# Altium PCB STM32.PcbDoc (part 2 of 2)
Units mil, origin at the board's own origin, x right, y up, seen from the top; angles counter-clockwise.
Board outline 3937.01 x 3937.01 mil, 2 copper layers (TOP, BOTTOM); 127 components, 126 nets, 543 pads, 253 vias.
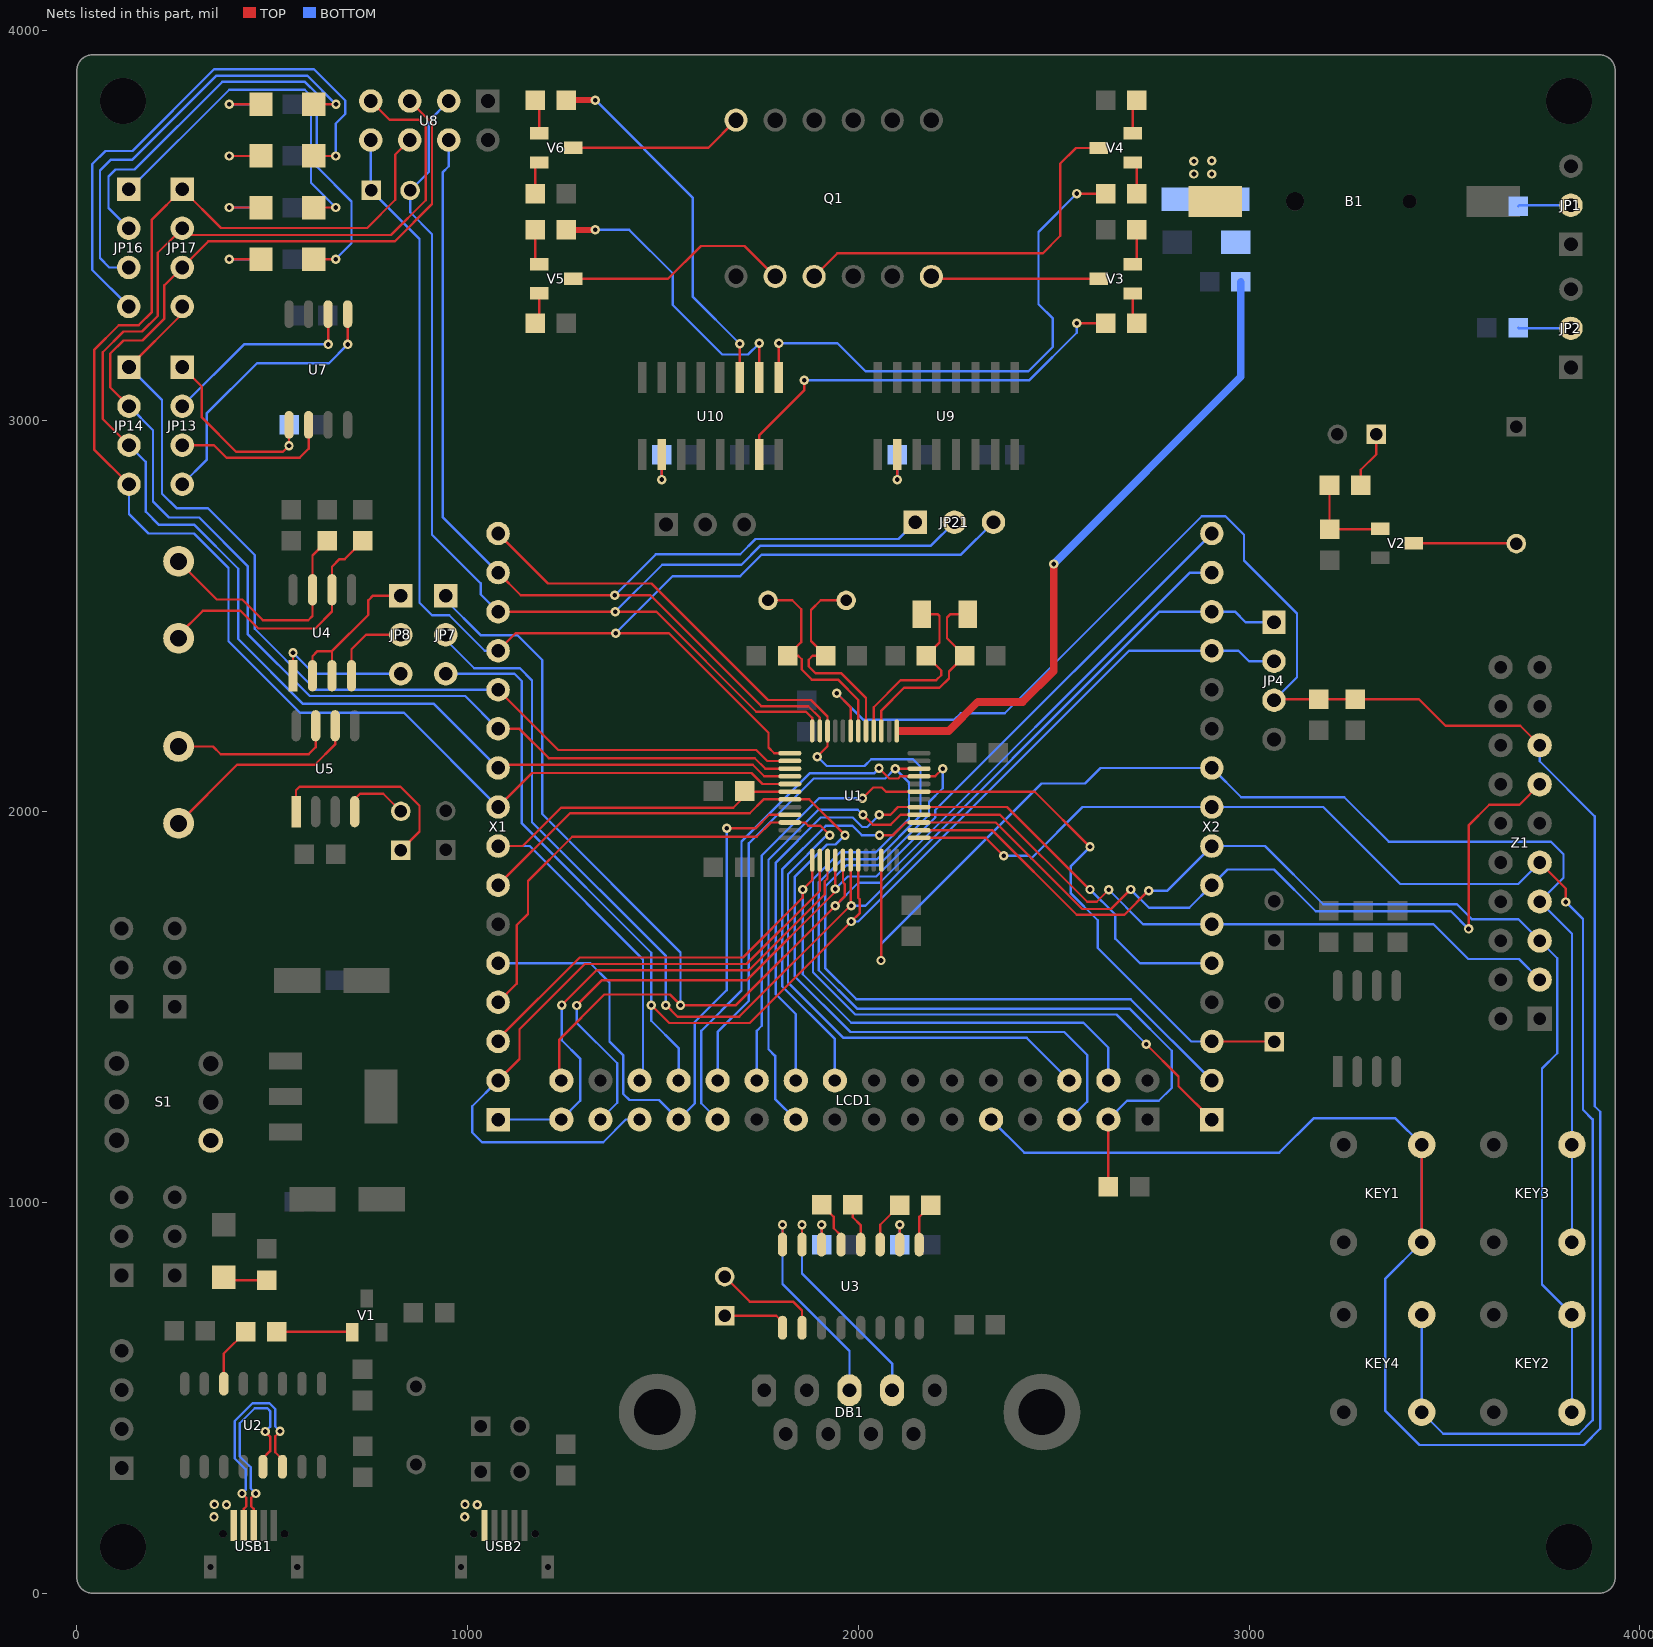
[diagram p2: the nets of this part, all layers, seen from the top]

## Via types
v1: diameter 24, hole 12, TOP to BOTTOM, tented both sides, 215 vias
v2: diameter 16, hole 8, TOP to BOTTOM, tented both sides, 37 vias
v3: diameter 50, hole 28, TOP to BOTTOM, 1 vias

## Nets (pads, with @x,y where several pads share a name; then routed paths per layer and width w, separated by ;. In a path a pad name is that pad's centre, name@x,y a point inside that pad or via, vN(x,y) a via of type N, cw(c..) or ccw(c..) an arc to the next point about the centre after c; other vN are vias at no path point) (continued)
I2C1_SDA: JP12.1 LCD1.22 U1.43 X2.3 | length 2415.7
  TOP w6: v1(2010.75,2034.25) 2038.5,2062 2060,2062 2070.8,2051.2 U1.43@2155.51,2051.2 2451.8,2051.2 v1(2593,1910) ; X2.3@2905,1412 3064,1412 JP12.1@3065,1411
  BOTTOM w6: LCD1.22@1740,1312 1740,1439 1753,1452 1753,1888 1899.25,2034.25 v1(2010.75,2034.25) ; v1(2593,1910) 2544,1861 2544,1791 2613,1722 2613,1651 2852,1412 X2.3@2905,1412
JTCK: KEY4.2 KEY4.4 U1.37 X2.9 Z1.9 | length 3979.7
  TOP w6: U1.37@2155.51,1933.09 2325.91,1933.09 v1(2372,1887) ; Z1.9@3744,1870 3811,1803 v1(3811,1769)
  BOTTOM w6: v1(2372,1887) 2437,1887 2443,1881 2574,2012 X2.9@2905,2012 3190,2012 3387,1815 3689,1815 Z1.9@3744,1870 ; KEY4.4@3442,713 KEY4.2@3442,463 3497,408 3845,408 3879.5,442.5 3879.5,1212.5 3855,1237 3855,1725 v1(3811,1769) v1@3809,1771
JTDI: KEY2.2 KEY2.4 U1.38 X2.8 Z1.5 | length 3124.9
  TOP w6: U1.38@2155.51,1952.77 2342.23,1952.77 2559,1736 2681,1736 v1(2743,1798)
  BOTTOM w6: v1(2743,1798) 2791,1798 X2.8@2905,1912 3041,1912 3190,1763 3532,1763 3570,1725 3689,1725 Z1.5@3744,1670 3789,1625 3789,1382 3750,1343 3750,789.5 KEY2.4@3826.5,713 KEY2.2@3826.5,463
JTDO: LCD1.18 U1.39 X2.7 Z1.13 | length 3148.7
  TOP w6: v1(2054.25,1940) 2089,1940 2121.46,1972.46 U1.39@2155.51,1972.46 2351.54,1972.46 2573,1751 2647,1751 v1(2697,1801) ; v1(3562,1700) 3562,1965 3615,2018 3692,2018 Z1.13@3744,2070
  BOTTOM w6: LCD1.18@1940,1312 1940,1418 1805,1553 1805,1852 1917,1964 1985,1964 2009,1940 v1(2054.25,1940) ; v1(2697,1801) 2744,1754 2847,1754 X2.7@2905,1812 2945,1852 3064,1852 3171,1745 3517,1745 v1(3562,1700)
JTMS: KEY3.2 KEY3.4 U1.34 X2.10 Z1.7 | length 3376.8
  TOP w6: v1@2059.06,1619 U1.34@2059.06,1876
  BOTTOM w6: v1(2058,1619) 2058,1661 2469,2072 2580,2072 2620,2112 X2.10@2905,2112 2980,2037 3244,2037 3358,1923 3773,1923 3805,1891 3805,1831 Z1.7@3744,1770 3826.5,1687.5 KEY3.4@3826.5,1148 KEY3.2@3826.5,898
JTRST: LCD1.19 U1.40 X2.6 Z1.3 | length 2947.5
  TOP w6: v1(2012,1991.83) 2036.83,1967 2083,1967 2108.14,1992.14 U1.40@2155.51,1992.14 2362.86,1992.14 2585.74,1769.26 2610.26,1769.26 v1(2641,1800)
  BOTTOM w6: LCD1.19@1840,1212 1787,1265 1787,1375 1770,1392 1770,1877 1898,2005 1998.83,2005 v1(2012,1991.83) ; v1(2641,1800) 2729,1712 X2.6@2905,1712 3472,1712 3561,1623 3691,1623 Z1.3@3744,1570
KEY1: C1.2 JP4.3 KEY1.2 KEY1.4 LCD1.9 R1.1 U1.7 Z1.15 | length 7239.8
  TOP w6: v1(1945,2303) 1980.32,2267.68 U1.7@1980.32,2206.71 ; JP4.3@3064,2285 3067,2288 R1.1@3179,2288 C1.2@3272,2288 3435,2288 3503,2220 3694,2220 Z1.15@3744,2170 ; KEY1.2@3442,898 KEY1.4@3442,1148
  BOTTOM w6: v1(1945,2303) 2013,2235 2245,2235 2262,2252 2375,2252 2879,2756 2940,2756 2987,2709 2987,2643 3123,2507 3123,2344 JP4.3@3064,2285 ; LCD1.9@2340,1212 2425,1127 3077,1127 3165,1215 3375,1215 KEY1.4@3442,1148 KEY1.2@3442,898 3349,805 3349,466 3436,379 3857,379 3899,421 3899,1232 3885,1246 3885,1988 3744,2129 Z1.15@3744,2170
LCD_BL: JP4.2 JP7.3 LCD1.26 U1.31 X2.13 | length 3577.7
  TOP w6: v1(1470,1505) 1516,1459 1722,1459 v1(1982,1719) 2004,1741 2004,1775 2000,1779 U1.31@2000,1876
  BOTTOM w6: JP7.3@944,2353 1120,2353 1139,2334 1139,1970 1470,1639 v1(1470,1505) 1470,1465 1540,1395 LCD1.26@1540,1312 ; v1(1982,1719) 2000,1719 2693,2412 X2.13@2905,2412 2973,2412 3000,2385 JP4.2@3064,2385
LCD_CS: LCD1.3 R5.1 U1.10 X1.16 | length 3571.4
  TOP w6: X1.16@1078,2712 1206,2584 1471,2584 1769,2286 1879,2286 1921.26,2243.74 U1.10@1921.26,2206.71 1921.26,2167.26 v1(1895,2141) ; R5.1@2640,1040 LCD1.3@2640,1212
  BOTTOM w6: v1(1895,2141) 1919,2117 2016,2117 2033,2134 2140,2134 2159,2115 2159,1990 2047,1878 1958,1878 1899,1819 1899,1594 1997,1496 2694,1496 2802,1388 2802,1293 2769,1260 2688,1260 LCD1.3@2640,1212
LCD_DB10: LCD1.20 U1.41 X2.5 | length 1975.1
  TOP w6: v1(2053.75,1991.83) 2081.83,1991.83 2101.83,2011.83 U1.41@2155.51,2011.83 2380.53,2011.83 2591.36,1801 v1(2593,1801)
  BOTTOM w6: LCD1.20@1840,1312 1840,1482 1789,1533 1789,1870 1904,1985 1986,1985 2010,1961 2022.92,1961 v1(2053.75,1991.83) ; v1(2593,1801) 2658,1736 2658,1675 2721,1612 X2.5@2905,1612
LCD_DB13: LCD1.23 U1.45 X2.2 | length 3177.7
  TOP w6: v1(2053,2111) 2079,2085 2102,2085 2107.57,2090.57 U1.45@2155.51,2090.57 2196.57,2090.57 v1(2216,2110)
  BOTTOM w6: LCD1.23@1640,1212 1598,1254 1598,1439 1701,1542 1701,1924 1875,2098 2040,2098 v1(2053,2111) ; v1(2216,2110) 2216,2060 2181,2025 2181,1992 2052,1863 1970,1863 1915,1808 1915,1600 1995,1520 2697,1520 X2.2@2905,1312
LCD_DB14: LCD1.24 U1.46 X2.1 | length 3038.5
  TOP w6: v1(2094.25,2110.25) U1.46@2155.51,2110.25 ; v1(2737,1405) 2819.5,1322.5 2819.5,1297.5 X2.1@2905,1212
  BOTTOM w6: LCD1.24@1640,1312 1640,1436 1720,1516 1720,1919 1886,2085 2069,2085 v1(2094.25,2110.25) 2129.92,2074.58 2129.92,1980.92 2045,1896 1953,1896 1884,1827 1884,1589 1992,1481 2661,1481 v1(2737,1405)
LCD_DB15: LCD1.25 U1.21 X1.5 | length 1747
  TOP w6: v1(1663,1958) 1738,1958 1772.14,1992.14 U1.21@1824.8,1992.14
  BOTTOM w6: X1.5@1078,1612 1314,1612 1363,1563 1363,1412 1398,1377 1398,1278 1414,1262 1490,1262 LCD1.25@1540,1212 1581.5,1253.5 1581.5,1461.5 1663,1543 v1(1663,1958)
LCD_RD: LCD1.6 U1.22 X1.4 | length 2439.6
  TOP w6: X1.4@1078,1512 1126,1560 1126,1710 1154.5,1738.5 1154.5,1822.5 1268,1936 1740,1936 1776.46,1972.46 U1.22@1824.8,1972.46 1863.54,1972.46 1872,1964 1903,1964 v1(1927,1940)
  BOTTOM w6: v1(1927,1940) 1920,1940 1820,1840 1820,1563 1962,1421 2431,1421 LCD1.6@2540,1312
LCD_SCK: LCD1.4 U1.25 X1.3 | length 2202.7
  TOP w6: X1.3@1078,1412 1078,1418 1287,1627 1705,1627 1858,1780 v1(1858,1801) 1881.89,1824.89 U1.25@1881.89,1876
  BOTTOM w6: v1(1858,1801) 1858,1584 1982,1460 2576,1460 2640,1396 LCD1.4@2640,1312
LCD_WR: LCD1.5 U1.19 X1.7 | length 2460.9
  TOP w6: X1.7@1078,1812 1262,1996 1722,1996 1757.51,2031.51 U1.19@1824.8,2031.51 1874.49,2031.51 v1(1966,1940)
  BOTTOM w6: v1(1966,1940) 1942,1916 1920,1916 1837,1833 1837,1579 1980,1436 2527,1436 2586,1377 2586,1258 LCD1.5@2540,1212
LED1: JP14.1 JP17.4 U1.14 X1.12 | length 2571.3
  TOP w6: JP14.1@133.39,3138 269.61,3274.23 JP17.4@269.61,3293 ; X1.12@1078,2312 1232,2158 1738.94,2158 1767,2129.94 U1.14@1824.8,2129.94
  BOTTOM w6: JP14.1@133.39,3138 218,3053.39 218,2814 255,2777 335,2777 455,2657 455,2468 611,2312 X1.12@1078,2312
LED2: JP14.2 JP17.3 U1.15 U8.5 X1.11 | length 3758.8
  TOP w6: JP14.2@133.39,3038 85,3086.39 85,3172 119,3206 168,3206 224,3262 224,3347.39 JP17.3@269.61,3393 336.61,3460 814,3460 909,3555 909,3762 U8.5@852,3819 ; X1.11@1078,2212 1133,2212 1208,2137 1735,2137 1761.75,2110.25 U1.15@1824.8,2110.25
  BOTTOM w6: JP14.2@133.39,3038 195,2976.39 195,2794 236,2753 313,2753 437,2629 437,2455 596,2296 994,2296 X1.11@1078,2212
LED3: JP14.3 JP17.2 U1.16 U8.7 X1.10 | length 3948.1
  TOP w6: JP14.3@133.39,2938 66,3005.39 66,3176 119,3229 167,3229 207,3269 207,3430.39 JP17.2@269.61,3493 286.61,3476 804,3476 893,3565 893,3753 875,3771 800,3771 U8.7@752,3819 ; X1.10@1078,2112 1086,2120 1730,2120 1759.43,2090.57 U1.16@1824.8,2090.57
  BOTTOM w6: JP14.3@133.39,2938 176,2895.39 176,2768 210,2734 301,2734 413,2622 413,2442 579,2276 914,2276 X1.10@1078,2112
LED4: JP14.4 JP17.1 U1.17 U8.6 X1.9 | length 3936
  TOP w6: JP14.4@133.39,2838 44,2927.39 44,3182 107,3245 158,3245 192,3279 192,3515.39 JP17.1@269.61,3593 368.61,3494 743,3494 815,3566 815,3682 U8.6@852,3719 ; X1.9@1078,2012 1165,2099 1727,2099 1755.12,2070.88 U1.17@1824.8,2070.88
  BOTTOM w6: JP14.4@133.39,2838 133.39,2761.61 183,2712 300,2712 388,2624 388,2436 571,2253 837,2253 X1.9@1078,2012
NetB1_1: B1.1 D1.1
  other v1: 2859,3632 2905,3632 2859,3665 2905,3666
NetBEEP1_2: BEEP1.2 V2.C | length 262.4
  TOP w6: V2.C@3422,2687 3683,2687 BEEP1.2@3684,2686
NetC14_1: C14.1 U3.3 | length 121.7
  TOP w6: U3.3@2056,892 2056,943 C14.1@2106,993
NetC14_2: C14.2 U3.1 | length 113.4
  TOP w6: U3.1@2156,892 2156,963 C14.2@2186,993
NetC15_1: C15.1 U3.5 | length 122.7
  TOP w6: C15.1@1906,994 1937,963 1937,934 1956,915 U3.5@1956,892
NetC15_2: C15.2 U3.4 | length 110.3
  TOP w6: C15.2@1986,994 1986,962 2006,942 U3.4@2006,892
NetC17_1: C17.1 U3.6 | length 102
  TOP w6: U3.6@1906,892 v1(1906,943)
  BOTTOM w6: C17.1@1906,892 v1(1906,943)
NetC18_1: C18.1 U3.2 | length 102
  TOP w6: U3.2@2106,892 v1(2106,943)
  BOTTOM w6: C18.1@2106,892 v1(2106,943)
NetDB1_2: DB1.2 U3.7 | length 570.4
  TOP w6: U3.7@1856,892 v1(1856,943)
  BOTTOM w6: v1(1856,943) 1856,818 2086.46,587.54 DB1.2@2086.46,519.07
NetDB1_3: DB1.3 U3.8 | length 545.9
  TOP w6: U3.8@1806,892 v1(1806,943)
  BOTTOM w6: v1(1806,943) 1806,791 1977.29,619.71 DB1.3@1977.29,519.07
NetH1_1: H1.1 R9.2 | length 121.9
  TOP w6: H1.1@376,808 383,801 R9.2@486.43,801 R9.2@495,801
NetH2_1: H2.1 R12.2 | length 161.8
  TOP w6: v1(390.32,3546.32) H2.1@471.22,3546.32
  BOTTOM w6: v1(390.32,3546.32) R12.2@471.22,3546.32
NetH2_2: H2.2 JP16.1 | length 947.3
  TOP w6: H2.2@605.44,3546.32 H2.2@606.22,3546.32 v1(662.54,3546.32)
  BOTTOM w6: JP16.1@133,3593 135,3593 390,3848 583,3848 599,3832 599,3609.85 v1(662.54,3546.32)
NetH3_1: H3.1 R13.2 | length 161.8
  TOP w6: v1(390.32,3414.32) H3.1@471.22,3414.32
  BOTTOM w6: v1(390.32,3414.32) R13.2@471.22,3414.32
NetH3_2: H3.2 JP16.2 | length 1334.6
  TOP w6: H3.2@605.44,3414.32 H3.2@606.22,3414.32 v1(662.54,3414.32)
  BOTTOM w6: JP16.2@133,3493 81,3545 81,3626 98.5,3643.5 147.5,3643.5 372,3868 584,3868 614,3838 614,3651 703,3562 703,3454.78 v1(662.54,3414.32)
NetH4_1: H4.1 R14.2 | length 161.8
  TOP w6: v1(390.32,3810.32) H4.1@471.22,3810.32
  BOTTOM w6: v1(390.32,3810.32) R14.2@471.22,3810.32
NetH4_2: H4.2 JP16.3 | length 1100.5
  TOP w6: H4.2@606.22,3810.32 v1(663.32,3810.32)
  BOTTOM w6: JP16.3@133,3393 83,3393 59,3417 59,3641 87,3669 142,3669 357,3884 589.63,3884 v1(663.32,3810.32)
NetH5_1: H5.1 R15.2 | length 161.8
  TOP w6: v1(390.32,3678.32) H5.1@471.22,3678.32
  BOTTOM w6: v1(390.32,3678.32) R15.2@471.22,3678.32
NetH5_2: H5.2 JP16.4 | length 1393.6
  TOP w6: H5.2@605.44,3678.32 H5.2@606.22,3678.32 v1(662.54,3678.32)
  BOTTOM w6: JP16.4@133,3293 39,3387 39,3657 73,3691 142,3691 351,3900 607,3900 687,3820 687,3786 662.54,3761.54 v1(662.54,3678.32)
NetJP1_2: JP1.2 R2.2 | length 135.8
  BOTTOM w6: R2.2@3689,3550 3691,3552 JP1.2@3824,3552
NetJP2_2: JP2.2 R3.2 | length 135.8
  BOTTOM w6: R3.2@3689,3239 3691,3237 JP2.2@3824,3237
NetJP8_1: JP8.1 U4.2 U4.3 | length 424.9
  TOP w6: U4.2@603,2348 603,2398 616,2411 653,2411 ; U4.3@653,2348 653,2411 ; JP8.1@829,2553 758,2553 746,2541 746,2504 653,2411
NetJP8_2: JP8.2 U4.4 | length 209.3
  TOP w6: U4.4@703,2348 703,2416 740,2453 JP8.2@829,2453
NetJP8_3: JP8.3 U4.1 | length 357.4
  TOP w6: U4.1@553,2348 v1(553,2407)
  BOTTOM w6: v1(553,2407) 607,2353 JP8.3@829,2353
NetJP10_1: JP10.1 U5.1 | length 528.9
  TOP w6: U5.1@561,2000 561,2055 570,2064 828,2064 877,2015 877,1949 JP10.1@829,1901
NetJP10_2: JP10.2 U5.4 | length 174.4
  TOP w6: U5.4@711,2000 711,2032 725,2046 784,2046 JP10.2@829,2001
NetJP15_1: JP15.1 R7.1 | length 147.6
  TOP w6: R7.1@3286,2835 3286,2875 3326,2915 JP15.1@3326,2966
NetR6_2: R6.2 R7.2 V2.B | length 241.4
  TOP w6: R7.2@3206,2835 3206,2724 R6.2@3207,2723 3333.98,2723 V2.B@3335.39,2724.4
NetR10_1: R10.1 U2.14 | length 156.2
  TOP w6: U2.14@376,536 376,612.99 R10.1@432.01,669
NetR10_2: R10.2 V1.B | length 193.3
  TOP w6: R10.2@512.01,669 702.98,669 V1.B@704.6,667.39
NetR16_1: R16.1 U4.7 X7.1 | length 617.4
  TOP w6: X7.1@260.17,2640.85 358.02,2543 423,2543 476,2490 592,2490 603,2501 U4.7@603,2568 603,2655.5 R16.1@640.5,2693
NetR17_1: R17.1 U4.6 X7.2 | length 684.8
  TOP w6: X7.2@260.17,2444 260.17,2452.17 322.5,2514.5 418.5,2514.5 464,2469 610,2469 653,2512 U4.6@653,2568 653,2627 672.5,2646.5 685.5,2646.5 R17.1@732,2693
NetR21_2: R21.2 U9.10 | length 128.3
  TOP w6: v1(2100,2850) U9.10@2100,2914.15
  BOTTOM w6: v1(2100,2850) R21.2@2100,2914.15
NetR22_2: R22.2 U10.10 | length 128.3
  TOP w6: v1(1496.8,2850) U10.10@1496.8,2914.15
  BOTTOM w6: v1(1496.8,2850) R22.2@1496.8,2914.15
NetR23_1: R23.1 V3.E | length 92.3
  TOP w6: V3.E@2702.24,3401.2 2713,3411.97 R23.1@2713,3489
NetR24_1: R24.1 V4.E | length 95.6
  TOP w6: V4.E@2702.24,3736.2 2702.24,3821 R24.1@2713,3821
NetR25_1: R25.1 V5.E | length 80.9
  TOP w6: R25.1@1173,3250.2 1183.76,3260.96 V5.E@1183.76,3326.6
NetR26_1: R26.1 V6.E | length 90.2
  TOP w6: R26.1@1173,3582.2 1173,3661.6 V6.E@1183.76,3661.6
NetR27_2: R27.2 V3.B | length 80.9
  TOP w6: V3.B@2702.24,3326.4 2702.24,3260.76 R27.2@2713,3250
NetR28_2: R28.2 V4.B | length 90.2
  TOP w6: V4.B@2702.24,3661.4 2713,3661.4 R28.2@2713,3582
NetR29_2: R29.2 V5.B | length 92.3
  TOP w6: R29.2@1173,3489.2 R29.2@1173,3489 1173,3412.17 V5.B@1183.76,3401.4
NetR30_2: R30.2 V6.B | length 95.6
  TOP w6: R30.2@1173,3821.2 1183.76,3821.2 1183.76,3821 V6.B@1183.76,3736.4
NetU2_5: U2.5 USB1.3 | length 542.4
  TOP w6: USB1.3@452.78,173.3 452.78,215.67 446.48,221.96 446.48,244 v1(457.48,255) ; U2.5@476,323.4 476,345 494.5,363.5 494.5,401 v1(482,413.5)
  BOTTOM w6: v1(457.48,255) 444.81,267.68 444.81,322.19 441,326 417,350 417,435 455,473 487.5,473 494.5,466 494.5,426 v1(482,413.5)
NetU2_6: U2.6 USB1.2 | length 584.1
  TOP w6: v1(422.48,255) 433.48,244 433.48,221.96 427.19,215.67 USB1.2@427.19,173.3 ; v1(520,414) 507.5,401.5 507.5,360.5 526,342 U2.6@526,323.4
  BOTTOM w6: v1(422.48,255) 431.81,264.32 431.81,316.81 404,344.62 404,440.38 449.62,486 492.88,486 507.5,471.38 507.5,426.5 v1(520,414)
NetU5_6: U5.6 X8.2 | length 532.4
  TOP w6: X8.2@260.17,1970.15 410.02,2120 609,2120 661,2172 U5.6@661,2220
NetU5_7: U5.7 X8.1 | length 421.6
  TOP w6: X8.1@260.17,2167 348,2167 368,2147 593,2147 611,2165 U5.7@611,2220
NRF_CE: JP5.2 JP21.2 U1.12 U8.3 X1.14 | length 3354
  TOP w6: X1.14@1078,2512 v1(1378,2512) 1483,2512 1739,2256 1866,2256 1881.89,2240.11 U1.12@1881.89,2206.71
  BOTTOM w6: U8.3@952,3819 901,3768 901,3638 JP5.2@853,3590 853,3534 909,3478 909,2709 1033.74,2584.26 1033.74,2556.26 X1.14@1078,2512 ; v1(1378,2512) 1498,2632 1701,2632 1750,2681 2186,2681 JP21.2@2246,2741
NRF_CS: JP21.1 U1.11 U8.4 X1.15 | length 3030.1
  TOP w6: X1.15@1078,2612 1136,2554 v1(1377,2554) 1468,2554 1752,2270 1872,2270 1901.57,2240.43 U1.11@1901.57,2206.71
  BOTTOM w6: U8.4@952,3719 952,3652 936,3636 936,2754 X1.15@1078,2612 ; v1(1377,2554) 1482,2659 1698,2659 1737,2698 2103,2698 JP21.1@2146,2741
NRF_IRQ: JP5.1 JP21.3 U1.13 U8.8 X1.13 | length 3487
  TOP w6: X1.13@1078,2412 1123,2457 v1(1379,2457) 1515,2457 1770,2202 1770,2164.62 1785,2149.62 U1.13@1824.8,2149.62
  BOTTOM w6: U8.8@752,3719 752,3591 JP5.1@753,3590 877,3466 877,2535 909,2503 953,2503 1044,2412 X1.13@1078,2412 ; v1(1379,2457) 1525,2603 1698,2603 1753,2658 2263,2658 JP21.3@2346,2741
OSC32_IN: C3.1 U1.3 Y2.1 | length 506.7
  TOP w6: U1.3@2059.06,2206.71 2059.06,2259.06 2117,2317 2207.84,2317 2232,2341.16 2232,2359 C3.1@2272,2399 2227,2444 2227,2497 2235,2505 Y2.1@2280,2505
OSC32_OUT: C2.1 U1.4 Y2.2 | length 496.6
  TOP w6: U1.4@2039.37,2206.71 2039.37,2267.21 2108.85,2336.68 2199.69,2336.68 2212.31,2349.32 2212.31,2361.02 C2.1@2174.33,2399 2208,2432.67 2208,2501 2204,2505 Y2.2@2161.89,2505
OSC_IN: C5.1 U1.5 Y1.1 | length 562.5
  TOP w6: Y1.1@1969,2541 1904,2541 1879,2516 1879,2436.67 C5.1@1916.67,2399 1883,2399 1873,2389 1873,2372 1891,2354 1957,2354 2019.69,2291.32 U1.5@2019.69,2206.71
OSC_OUT: C4.1 U1.6 Y1.2 | length 550.4
  TOP w6: Y1.2@1769,2541 1831,2541 1854,2518 1854,2434 C4.1@1819,2399 1846,2399 1855,2390 1855,2364 1881,2338 1948,2338 2000,2286 U1.6@2000,2206.71
OUT1: R27.1 U10.15 | length 1083.1
  TOP w6: U10.15@1746.8,2914.15 1746.8,2963.8 1862,3079 v1(1862,3104) ; v1(2559,3250) R27.1@2633,3250
  BOTTOM w6: v1(1862,3104) 2437,3104 2559,3226 v1(2559,3250)
OUT2: R28.1 U10.1 | length 1367.3
  TOP w6: U10.1@1796.8,3111 v1(1796.8,3199.2) ; v1(2559,3582) R28.1@2633,3582
  BOTTOM w6: v1(1796.8,3199.2) 1946.8,3199.2 2019,3127 2435,3127 2498,3190 2498,3262 2461,3299 2461,3484 v1(2559,3582)
OUT3: R29.1 U10.2 | length 773.8
  TOP w6: U10.2@1746.8,3111 v1(1746.8,3199.2)
  TOP w15: R29.1@1253,3489.2 v1(1327,3489.2)
  BOTTOM w6: v1(1327,3489.2) 1413.8,3489.2 1525,3378 1525,3297 1652,3170 1717.6,3170 v1(1746.8,3199.2)
OUT4: R30.1 U10.3 | length 937.4
  TOP w6: U10.3@1696.8,3111 v1(1696.8,3197.8)
  TOP w15: R30.1@1253,3821.2 v1(1327,3821.2)
  BOTTOM w6: v1(1327,3821.2) 1576,3572.2 1576,3318.6 v1(1696.8,3197.8)
PA8: JP7.1 LCD1.32 U1.29 X2.15 | length 3798.2
  TOP w6: LCD1.32@1263,1312 LCD1.32@1240,1312 1235,1317 1235,1417 1350,1532 1518,1532 v1(1545,1505) 1686.94,1505 v1(1940.94,1759) 1965,1783.06 1965,1815 1960.63,1819.37 U1.29@1960.63,1876
  BOTTOM w6: JP7.1@944,2553 944,2541 1033,2452 1127,2452 1191,2388 1191,1994 1545,1640 v1(1545,1505) ; v1(1940.94,1759) 1999.94,1818 2055,1818 2849,2612 X2.15@2905,2612
PA9: JP4.1 JP7.2 U1.30 X2.14 | length 3375.7
  TOP w6: v1(1507.5,1505) 1537.5,1475 1695,1475 1980.5,1760.5 1980.32,1760.68 U1.30@1980.32,1876
  BOTTOM w6: JP7.2@944,2453 944,2440 1017,2367 1134,2367 1165,2336 1165,1973 1507.5,1630.5 v1(1507.5,1505) ; v1(1982,1759) v1@1991,1759 ; v1@1992,1758 v1@1991,1759 ; JP4.1@3064,2485 2991,2485 2964,2512 X2.14@2905,2512 2771,2512 2018,1759 v1@1991,1759
PB0: LCD1.28 R4.2 U1.18 X1.8 | length 1603.6
  TOP w6: X1.8@1078,1912 1141,1912 1239,2010 1680,2010 R4.2@1708,2038 ; R4.2@1709,2053 1710.8,2051.2 U1.18@1824.8,2051.2
  BOTTOM w6: X1.8@1078,1912 1159,1912 1449,1622 1449,1321 LCD1.28@1440,1312
PB13: LCD1.27 U1.26 X1.2 | length 1770.4
  TOP w6: X1.2@1078,1312 1133,1367 1133,1443 1300,1610 1714,1610 1901.57,1797.57 U1.26@1901.57,1876
  BOTTOM w6: X1.2@1078,1312 1012,1246 1012,1179 1037,1154 1347,1154 1405,1212 LCD1.27@1440,1212
PB14: LCD1.31 U1.27 X1.1 | length 1375.6
  TOP w6: v1(1241,1505.06) 1329.94,1594 1720,1594 1914.26,1788.26 1914.26,1822 1921.26,1829 U1.27@1921.26,1876
  BOTTOM w6: X1.1@1078,1212 LCD1.31@1240,1212 1288,1260 1288,1368 1241,1415 v1(1241,1505.06)
PB15: LCD1.29 U1.28 X2.16 | length 2587.4
  TOP w6: v1(1279.06,1504) 1344,1568.94 1714.94,1568.94 1940.94,1794.94 v1(1940.94,1802) U1.28@1940.94,1876
  BOTTOM w6: v1(1279.06,1504) 1279.06,1459.94 1383,1356 1383,1255 LCD1.29@1340,1212 ; v1(1940.94,1802) 1972.94,1834 2046,1834 2197,1985 2197,2004 X2.16@2905,2712 X2.16@2905,2693
R2OUT: JP6.1 U3.9 | length 169.2
  TOP w6: JP6.1@1658,710 1790,710 1806,694 U3.9@1806,679.4
S1: Q1.12 V3.C | length 431.2
  TOP w6: Q1.12@2187,3370 2193.2,3363.8 V3.C@2615.62,3363.8
S2: Q1.9 V4.C | length 973.2
  TOP w6: Q1.9@1887,3370 1946,3429 2472,3429 2517,3474 2517,3659 2556.8,3698.8 V4.C@2615.62,3698.8
S3: Q1.8 V5.C | length 583.7
  TOP w6: V5.C@1270.38,3364 1513,3364 1597,3448 1709,3448 Q1.8@1787,3370
S4: Q1.6 V6.C | length 446
  TOP w6: V6.C@1270.38,3699 1616,3699 Q1.6@1687,3770
SP_CS: JP13.1 R8.1 U7.1 | length 521.9
  TOP w6: JP13.1@269.61,3138 320,3087.61 320,3009 408,2921 527,2921 v1(543,2937) U7.1@543,2990
  BOTTOM w6: v1(543,2937) R8.1@543,2990
SP_MISO: JP13.3 U7.2 | length 407.2
  TOP w6: JP13.3@269.61,2938 351,2938 383,2906 570,2906 593,2929 U7.2@593,2990
SP_MOSI: JP13.4 U7.5 | length 718.6
  TOP w6: v1(693,3196) U7.5@693,3273.46
  BOTTOM w6: JP13.4@269.61,2838 332,2900.39 332,3019 461,3148 645,3148 v1(693,3196)
SP_SCK: JP13.2 U7.6 | length 516.3
  TOP w6: v1(643,3196) U7.6@643,3273.46
  BOTTOM w6: JP13.2@269.61,3038 427.61,3196 v1(643,3196)
T2IN: JP6.2 U3.10 | length 277.6
  TOP w6: JP6.2@1658,810 1722,746 1833,746 1856,723 U3.10@1856,679.4
VBAT: C8.2 D1.2 D2.2 U1.1 | length 1651.9
  TOP w20: 2106,2206.71 2231.71,2206.71 2306,2281 2421,2281 2500,2360 v1(2500,2634)
  BOTTOM w20: v1(2500,2634) 2979,3113 C8.2@2979,3356
VUSB: S1.2 USB1.1 USB2.1
  other v1: 351,195 992.44,195 383,226 1024.44,226 352,227 993.44,227
pads on no net: B1.3 B1.4 DB1.1 DB1.4 DB1.6 DB1.7 DB1.8 DB1.9 DB1.BO1 DB1.BO2 LCD1.7 LCD1.8 LCD1.10 LCD1.11 LCD1.12 LCD1.13 LCD1.14 LCD1.15 LCD1.16 LCD1.17 LCD1.30 S1.1 S1.4 S1.5 S1.6 U2.9 U2.10 U2.11 U2.12 U2.15 U3.11 U3.12 U3.13 U3.14 U5.5 U10.4 U10.5 U10.6 U10.7 U10.9 USB1. USB1.4 USB1.6 USB2. USB2.4 USB2.6 Z1.11 Z1.17 Z1.19
copper on no net:
  other v3: -10597,-6376

## Polygon pours and split planes (outlines as drawn)
5V on TOP "5V" (hatched 90Degree grid 4 track 5, remove dead copper, pour order 55): 186,798 186,1246 222,1282 411,1282 427,1266 427,1159 415,1147 321,1053 321,1021 321,817 289,785 197,785 187,795
GND on TOP "Top Layer-No Net" (hatched 90Degree grid 4 track 5, remove dead copper, pour order 54): 683,1019 683,924.67 710,897.67 832.67,897.67 843,908 843,1019 824,1038 702,1038
GND on TOP "Top Layer-No Net" (hatched 90Degree grid 4 track 5, remove dead copper, pour order 52): 614,1551 614,1645.33 587,1672.33 464.33,1672.33 454,1662 454,1551 473,1532 596,1532 614,1550
3V3 on TOP "Top Layer-No Net" (hatched 90Degree grid 4 track 5, remove dead copper, pour order 50): 694,1600 694,1668 839,1668 867,1640 867,1249 867,1231 847,1211 722,1211 691,1242 695,1246 695,1600
3V3 on TOP "Top Layer-No Net" (hatched 90Degree grid 4 track 5, remove dead copper, pour order 49): 872,1321 872,1267 872,1206 736,1206 664,1206 641,1229 507,1229 507,1252 507,1321
5V on TOP "Top Layer-No Net" (hatched 90Degree grid 4 track 5, remove dead copper, pour order 48): 324,1279 414,1279 456,1237 485,1208 565,1208 633,1208 633,971 484,971 454,1001 454,1055 454,1108 437.01,1124.99 321,1124.99 321,1276 321,1278 325,1278
NetB1_1 on TOP "Top Layer-No Net" (hatched 90Degree grid 4 track 5, remove dead copper, pour order 43): 2806,3515 2806,3656 2829,3679 2968,3679 2983,3664 2983,3535 2970,3522 2963,3515 2823,3515
GND on TOP "Top Layer-No Net" (hatched 90Degree grid 4 track 5, remove dead copper, pour order 42): 495,1427 619,1427 619,1374 619,1343 561,1343 494,1343 494,1427
GND on TOP "Top Layer-No Net" (hatched 90Degree grid 4 track 5, remove dead copper, pour order 60): 128,3936 3932,3936 3932,3697 3932,-1 779,-1 0,-1 0,3868 0,3935 128,3935
VUSB on TOP "5V" (hatched 90Degree grid 4 track 5, remove dead copper, pour order 58): 1049.44,147 1049.44,229 1034.44,244 996,244 980.44,228.44 980.44,162 1002.44,140 1042.44,140
VUSB on TOP "5V" (hatched 90Degree grid 4 track 5, remove dead copper, pour order 56): 408,147 408,229 393,244 354,244 339,229 339,162 361,140 401,140
VUSB on BOTTOM "5V" (hatched 90Degree grid 4 track 5, remove dead copper, pour order 59): 892,243 1032,243 1054,221 1054,176 1032,154 1017,139 433,139 331,139 270,200 254,216 254,667 283,696 283,1164 296,1177 393,1177 405,1165 406,1164 406,994 406,688 332,614 332,311 370,273 421,222 496,222 871,222
3V3 on BOTTOM "5V" (hatched 90Degree grid 4 track 5, remove dead copper, pour order 57): 220,1468 220,1744 261,1785 768,1785 793,1760 827,1726 827,1650 827,1555 811,1555 719,1555 719,1605.5 719,1650 674,1695 672,1697 464,1697 352,1697 325,1670 325,1488 308,1471 303,1466 220,1466
5V on BOTTOM "5V" (hatched 90Degree grid 4 track 5, remove dead copper, pour order 53): 576,984 576,1104 541,1104 448,1104 448,1038 448,981 578,981
3V3 on BOTTOM "Top Layer-No Net" (hatched 90Degree grid 4 track 5, remove dead copper, pour order 51): 709,1549 709,1643 730,1664 819,1664 827,1656 827,1561 818,1552 813,1547 709,1547
GND on BOTTOM "Top Layer-No Net" (hatched 90Degree grid 4 track 5, remove dead copper, pour order 47): 2898,3385 2839,3385 2839,3332 2839,3245 2884,3245 2917,3245 2917,3299 2917,3387 2898,3387
3V3 on BOTTOM "Top Layer-No Net" (hatched 90Degree grid 4 track 5, remove dead copper, pour order 46): 2833,3486 2747,3486 2747,3426 2747,3367 2803,3367 2847,3367 2847,3465 2847,3486 2834,3486
VBAT on BOTTOM "Top Layer-No Net" (hatched 90Degree grid 4 track 5, remove dead copper, pour order 45): 2946,3584 3066,3584 3066,3555 3066,3327 2968,3327 2946,3327 2946,3584
NetB1_1 on BOTTOM "Top Layer-No Net" (hatched 90Degree grid 4 track 5, remove dead copper, pour order 44): 2783,3549 2783,3660 2805,3682 2810,3687 2917,3687 2930,3674 2930,3662 2930,3631 2913,3614 2861,3614 2861,3560 2861,3549 2784,3549
GND on BOTTOM "Top Layer-No Net" (hatched 90Degree grid 4 track 5, remove dead copper, pour order 61): 128,3936 3932,3936 3932,3697 3932,-1 779,-1 0,-1 0,3868 0,3935 128,3935

## Keep-outs
Keep-Out Layer:
  the board outline again, w5

## Other copper
TOP:
  rectangle net VBAT: 2094,2181.12 2123,2231
  rectangle net VUSB: 1010.44,173.3 1043.04,234
  rectangle net VUSB: 369,173.3 401.6,234
  rectangle net 3V3: 690,1220 843,1312
  pour cut-out: 2422,3223.52 2422,3054 2061,3054 2061,3223.52
  pour cut-out: 1685,3166 1685,3198 1796.8,3198 1796.8,3054 1470.13,3054 1470.13,3166
  pour cut-out: 1820.13,2966.02 1820.13,2866 1423.47,2866 1423.47,2966.02
  pour cut-out: 689,2653 689,2505.5 538,2505.5 538,2653
  pour cut-out: 717,2404 717,2300 553,2300 553,2404
  pour cut-out: 723,2262 723,2168 575,2168 575,2262
  pour cut-out: 735.5,2064 735.5,1934 623,1934 623,2064
  pour cut-out: 448.5,365 629,365 629,278 326,278 326,364 448.5,364
  pour cut-out: 354,704 515,704 515,631.5 440,631.5 440,566 640,566 640,493.17 426,493.17 426,466 260,466 260,610
  pour cut-out: 2729,3858.5 2729,3204 2610,3204 2610,3858.5
  text "TOP" at 70,4047 h59.06
BOTTOM:
  pour cut-out: 2730,2508 3123,2508 3123,2185 2606.21,2185 2606.21,2384.21
  pour cut-out: 2087,2980 2238,2980 2238,2841 2087,2841
  pour cut-out: 589,3848 589,3376.82 450,3376.82 450,3848
  text "BOTTOM" at 303,4047 h59.06

## Silkscreen, mask and mechanical layers (free items; w line width, h text height)
Top Overlay:
  drawing of 1499 lines, arcs and shapes, not listed
  text "A" at 1001,3227 h30
  text "A" at 1201,3155 h30
  text "STM32 V1.0 161019" at 1035,1051 h30

## Text inside footprints (layer, text, board x,y; h text height)
BEEP1: Top Overlay "+" at 3652.5,2937.97 h118.11 r270
C9: Top Overlay "-" at 838,887 h118.11; Top Overlay "+" at 491,903 h118.11
C11: Top Overlay "-" at 519,1682 h118.11 r180; Top Overlay "+" at 832,1718 h118.11 r180
DB1: Top Overlay "母头" at 2045.57,171.83 h118.11 r180; Top Overlay "6" at 2257.29,423.24 h50 r180; Top Overlay "1" at 2297.29,543.24 h50 r180; Top Overlay "5" at 1697.29,543.24 h50 r180; Top Overlay "9" at 1737.29,423.24 h50 r180
USB1: Top Overlay "+" at 317.46,197.24 h39.37
USB2: Top Overlay "+" at 958.9,197.24 h39.37